# Allegro board ad-fmcmotcon1-ebz_layout.brd (continued)
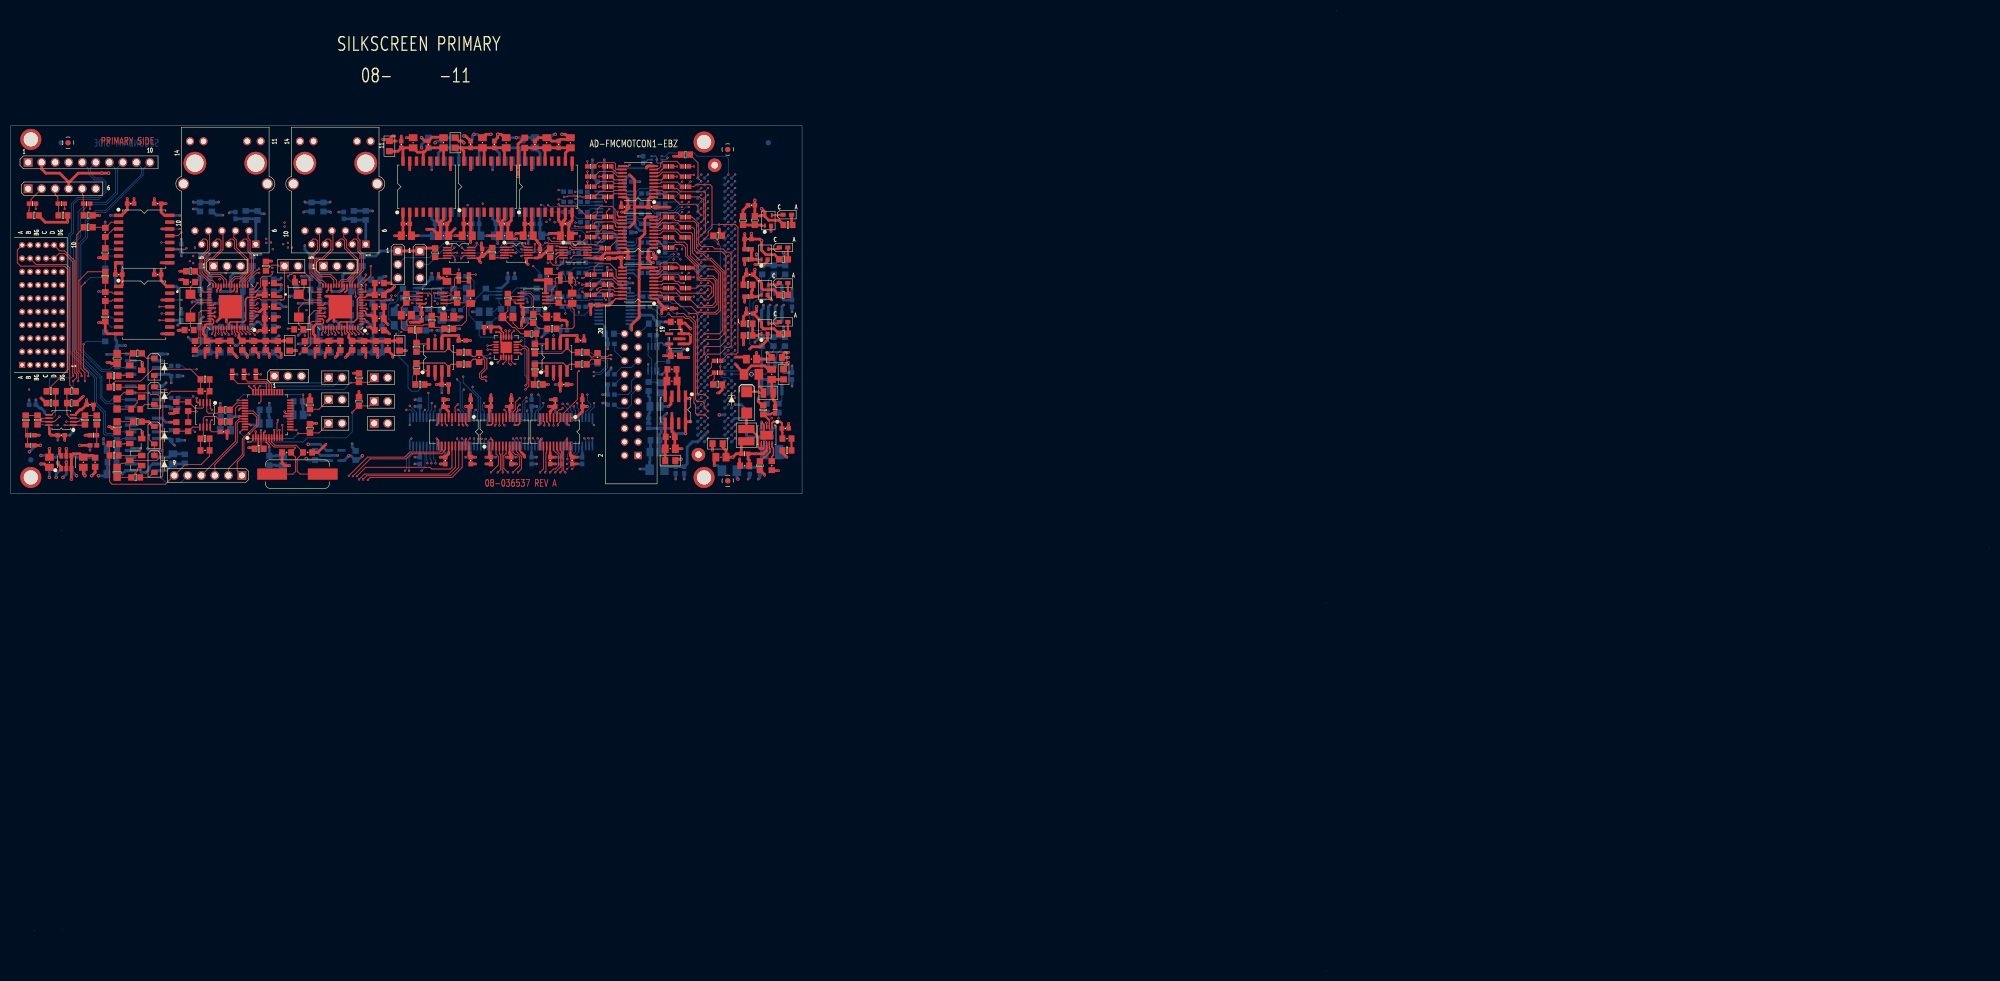
[diagram p0: board, top side]
## Footprints (pads in the part's own frame, mm; a bottom-side part is the same pattern mirrored in y, then rotated) (continued)
L0805
  rect 1.143x1.27 smd: 1(-0.953,0) 2(0.953,0)
L9075
  rect 1.016x1.778 smd: 1(-0.889,0) 2(0.889,0)
LED0603
  rect 0.965x0.762 smd: A(0.8,0) C(-0.8,0)
LQFP48
  rect 0.305x1.194 smd: 1(-2.75,-4.253) 2(-2.25,-4.253) 3(-1.75,-4.253) 4(-1.25,-4.253) 5(-0.75,-4.253) 6(-0.25,-4.253) 7(0.25,-4.253) 8(0.75,-4.253) 9(1.25,-4.253) 10(1.75,-4.253) 11(2.25,-4.253) 12(2.75,-4.253) 25(2.75,4.253) 26(2.25,4.253) 27(1.75,4.253) 28(1.25,4.253) 29(0.75,4.253) 30(0.25,4.253) 31(-0.25,4.253) 32(-0.75,4.253) 33(-1.25,4.253) 34(-1.75,4.253) 35(-2.25,4.253) 36(-2.75,4.253)
  rect 1.194x0.305 smd: 13(4.253,-2.75) 14(4.253,-2.25) 15(4.253,-1.75) 16(4.253,-1.25) 17(4.253,-0.75) 18(4.253,-0.25) 19(4.253,0.25) 20(4.253,0.75) 21(4.253,1.25) 22(4.253,1.75) 23(4.253,2.25) 24(4.253,2.75) 37(-4.253,2.75) 38(-4.253,2.25) 39(-4.253,1.75) 40(-4.253,1.25) 41(-4.253,0.75) 42(-4.253,0.25) 43(-4.253,-0.25) 44(-4.253,-0.75) 45(-4.253,-1.25) 46(-4.253,-1.75) 47(-4.253,-2.25) 48(-4.253,-2.75)
LSML126W110H95
  rect 1.524x3.048 smd: 1(-1.143,0) 2(1.143,0)
MSOP8
  rect 0.305x1.321 smd: 1(-0.975,-2.3) 2(-0.325,-2.3) 3(0.325,-2.3) 4(0.975,-2.3) 5(0.975,2.3) 6(0.325,2.3) 7(-0.325,2.3) 8(-0.975,2.3)
QFN10_3X3_PAD2_38X1_64
  oval 0.254x0.813 smd: 1(-1,-1.5) 2(-0.5,-1.5) 3(0,-1.5) 4(0.5,-1.5) 5(1,-1.5) 6(1,1.5) 7(0.5,1.5) 8(0,1.5) 9(-0.5,1.5) 10(-1,1.5)
  rect 2.388x1.651 smd: PAD(0,0)
QFN20_4X4_PAD2_1X2_1
  oval 0.305x1.041 smd: 1(-1,-1.9) 2(-0.5,-1.9) 3(0,-1.9) 4(0.5,-1.9) 5(1,-1.9) 11(1,1.9) 12(0.5,1.9) 13(0,1.9) 14(-0.5,1.9) 15(-1,1.9)
  oval 1.041x0.305 smd: 6(1.9,-1) 7(1.9,-0.5) 8(1.9,0) 9(1.9,0.5) 10(1.9,1) 16(-1.9,1) 17(-1.9,0.5) 18(-1.9,0) 19(-1.9,-0.5) 20(-1.9,-1)
  rect 2.108x2.108 smd: PAD(0,0)
QFN56_8X8_PAD4_37X4_37
  oval 0.305x0.838 smd: 1(-3.25,-3.95) 2(-2.75,-3.95) 3(-2.25,-3.95) 4(-1.75,-3.95) 5(-1.25,-3.95) 6(-0.75,-3.95) 7(-0.25,-3.95) 8(0.25,-3.95) 9(0.75,-3.95) 10(1.25,-3.95) 11(1.75,-3.95) 12(2.25,-3.95) 13(2.75,-3.95) 14(3.25,-3.95) 29(3.25,3.95) 30(2.75,3.95) 31(2.25,3.95) 32(1.75,3.95) 33(1.25,3.95) 34(0.75,3.95) 35(0.25,3.95) 36(-0.25,3.95) 37(-0.75,3.95) 38(-1.25,3.95) 39(-1.75,3.95) 40(-2.25,3.95) 41(-2.75,3.95) 42(-3.25,3.95)
  oval 0.838x0.305 smd: 15(3.95,-3.25) 16(3.95,-2.75) 17(3.95,-2.25) 18(3.95,-1.75) 19(3.95,-1.25) 20(3.95,-0.75) 21(3.95,-0.25) 22(3.95,0.25) 23(3.95,0.75) 24(3.95,1.25) 25(3.95,1.75) 26(3.95,2.25) 27(3.95,2.75) 28(3.95,3.25) 43(-3.95,3.25) 44(-3.95,2.75) 45(-3.95,2.25) 46(-3.95,1.75) 47(-3.95,1.25) 48(-3.95,0.75) 49(-3.95,0.25) 50(-3.95,-0.25) 51(-3.95,-0.75) 52(-3.95,-1.25) 53(-3.95,-1.75) 54(-3.95,-2.25) 55(-3.95,-2.75) 56(-3.95,-3.25)
  rect 4.369x4.369 smd: PAD(0,0)
QSOP20
  rect 0.305x1.651 smd: 1(-2.857,-2.667) 2(-2.223,-2.667) 3(-1.587,-2.667) 4(-0.953,-2.667) 5(-0.318,-2.667) 6(0.318,-2.667) 7(0.953,-2.667) 8(1.587,-2.667) 9(2.223,-2.667) 10(2.857,-2.667) 11(2.857,2.667) 12(2.223,2.667) 13(1.587,2.667) 14(0.953,2.667) 15(0.318,2.667) 16(-0.318,2.667) 17(-0.953,2.667) 18(-1.587,2.667) 19(-2.223,2.667) 20(-2.857,2.667)
R0402
  rect 0.889x0.813 smd: 1(-0.635,0) 2(0.635,0)
R0603
  rect 1.092x1.194 smd: 1(-0.851,0) 2(0.851,0)
R0805
  rect 1.295x1.397 smd: 1(-0.953,0) 2(0.953,0)
SC70-6
  rect 0.406x0.508 smd: 1(-0.65,-0.95) 2(0,-0.95) 3(0.65,-0.95) 4(0.65,0.95) 5(0,0.95) 6(-0.65,0.95)
SC70_4
  rect 0.356x0.787 smd: 1(-0.65,-0.98) 3(0.65,0.98) 4(-0.65,0.98)
  rect 0.762x0.787 smd: 2(0.5,-0.98)
SMA
  rect 2.032x2.032 smd: A(1.994,0) C(-1.994,0)
SO8
  rect 0.61x2.184 smd: 1(-1.905,-2.54) 2(-0.635,-2.54) 3(0.635,-2.54) 4(1.905,-2.54) 5(1.905,2.54) 6(0.635,2.54) 7(-0.635,2.54) 8(-1.905,2.54)
SO16WB
  rect 0.635x1.727 smd: 1(-4.445,-4.801) 2(-3.175,-4.801) 3(-1.905,-4.801) 4(-0.635,-4.801) 5(0.635,-4.801) 6(1.905,-4.801) 7(3.175,-4.801) 8(4.445,-4.801) 9(4.445,4.801) 10(3.175,4.801) 11(1.905,4.801) 12(0.635,4.801) 13(-0.635,4.801) 14(-1.905,4.801) 15(-3.175,4.801) 16(-4.445,4.801)
SOD123-2
  rect 0.914x1.219 smd: A(1.638,0) C(-1.638,0)
SOT23
  rect 1.016x1.397 smd: 1(-0.94,-1.118) 2(0.94,-1.118) 3(0,1.118)
SOT23_6-2
  rect 0.711x0.991 smd: 1(-0.95,-1.2) 2(0,-1.2) 3(0.95,-1.2) 4(0.95,1.2) 5(0,1.2) 6(-0.95,1.2)
TSOT-5
  rect 0.508x1.524 smd: 1(-0.95,-1.17) 2(0,-1.17) 3(0.95,-1.17) 4(0.95,1.17) 5(-0.95,1.17)
TSSOP20
  rect 0.33x1.651 smd: 1(-2.925,-2.93) 2(-2.275,-2.93) 3(-1.625,-2.93) 4(-0.975,-2.93) 5(-0.325,-2.93) 6(0.325,-2.93) 7(0.975,-2.93) 8(1.625,-2.93) 9(2.275,-2.93) 10(2.925,-2.93) 11(2.925,2.93) 12(2.275,2.93) 13(1.625,2.93) 14(0.975,2.93) 15(0.325,2.93) 16(-0.325,2.93) 17(-0.975,2.93) 18(-1.625,2.93) 19(-2.275,2.93) 20(-2.925,2.93)
unnamed#2
  round 1.016 smd: (0,0)
unnamed#3
  round 3.937 hole 2.667 unplated: (0,0)
USO10
  rect 0.254x1.6 smd: 1(-1,-2.25) 2(-0.5,-2.25) 3(0,-2.25) 4(0.5,-2.25) 5(1,-2.25) 6(1,2.25) 7(0.5,2.25) 8(0,2.25) 9(-0.5,2.25) 10(-1,2.25)
YSML197W126H39
  rect 1.702x1.803 smd: 1(-2.151,0) 2(2.151,0)
YSML450W190H130
  rect 5.588x2.108 smd: 1(-4.75,0) 2(4.75,0)

## Nets
0V5_REF_1: A6.1(OUT) R206.2(N2) U12.2(VOCM) U13.2(VOCM)
0V5_REF_2: A6.7(OUT) R207.2(N2) U18.2(VOCM) U19.2(VOCM)
2V5_REF_1: C189.1(N1) R229.1(N1) R230.1(N1) U30.5(VOUT_SENSE) U30.6(VOUT_FORCE)
2V5_REF_2: C190.1(N1) R233.1(N1) R234.1(N1) U31.5(VOUT_SENSE) U31.6(VOUT_FORCE)
2V5_REF_3: C503.1(N1) R204.1(N1) U50.5(VOUT_SENSE) U50.6(VOUT_FORCE)
3V3_ADC_A: C225.1(N1) C242.1(N1) C243.1(N1) C246.1(N1) C247.1(N1) U8.14(VDD2) U9.14(VDD2) U14.14(VDD2) U15.14(VDD2) U38.5(VOUT)
3V3_AUX: A1.3(VIN) A1.6(VCC) C91.2(N2) C193.2(N2) P1.D32(3P3VAUX) R12.1(N1) R13.1(N1) R26.1(N1) R192.1(N1) R194.1(N1) R196.1(N1) U27.8(VCC) U32.8(VCC)
3V3_SENS_ISO: C19.1(N1) C21.1(N1) C65.2(N2) C66.2(N2) C67.2(N2) C71.1(N1) C73.1(N1) C251.1(N1) C252.1(N1) C254.1(N1) R150.1(N1) R151.1(N1) R152.1(N1) R153.1(N1) R154.1(N1) U22.8(VCC) U23.8(VCC) U24.8(VCC) U26.3(RD_N) U26.18(VDRIVE) U42.1(VDD1A) U42.7(VDD1B) U45.14(VDD2B) U45.20(VDD2A) U46.5(VOUT)
5V0: C194.1(N1) C195.1(N1) C196.1(N1) C200.1(N1) C201.1(N1) C203.1(N1) C205.1(N1) C207.1(N1) C208.1(N1) C209.1(N1) C210.1(N1) C229.1(N1) C231.1(N1) C232.1(N1) C233.1(N1) C255.1(N1) C256.1(N1) C257.1(N1) C258.1(N1) C263.1(N1) E10.2(N2) E17.1(N1) R212.1(N1) U33.1(VDD1_1) U33.6(RCSEL) U33.7(VDD1_2) U35.1(VDD1_1) U35.6(RCSEL) U35.7(VDD1_2) U36.1(VDD1_1) U36.6(RCSEL) U36.7(VDD1_2) U40.1(VDD1_1) U40.6(RCSEL) U40.7(VDD1_2) U47.1(VDD1_1) U47.6(RCSEL) U47.7(VDD1_2)
5V0_A: C26.1(N1) C27.1(N1) C36.1(N1) C38.1(N1) C43.2(N2) C47.1(N1) C48.1(N1) C57.1(N1) C59.1(N1) C97.1(N1) C224.1(N1) C501.1(N1) C502.1(N1) E17.2(N2) U10.8(V+) U11.8(V+) U12.3(VS_POS) U13.3(VS_POS) U16.8(V+) U17.8(V+) U18.3(VS_POS) U19.3(VS_POS) U38.1(VIN) U38.3(EN) U39.1(FC) U39.8(V+) U43.14(VDD) U50.3(ENABLE) U50.4(VIN)
5V0_ADC_ISO: C240.1(N1) C241.1(N1) C244.1(N1) C245.1(N1) E8.2(N2) U8.1(VDD1) U9.1(VDD1) U14.1(VDD1) U15.1(VDD1)
5V0_DI_ISO: C15.1(N1) C18.1(N1) C116.1(N1) C142.1(N1) C161.1(N1) C248.1(N1) C270.1(N1) C271.1(N1) C274.1(N1) C275.1(N1) E20.2(N2) U5.14(VDD2B) U5.20(VDD2A) U6.1(VDD1A) U6.7(VDD1B) U41.1(VDD1A) U41.7(VDD1B) U44.14(VDD2B) U44.20(VDD2A) U48.14(VDD2B) U48.20(VDD2A)
5V0_FE_ISO: A2.8(V+) A3.8(V+) C23.2(N2) C44.2(N2) C186.1(N1) C187.1(N1) C268.1(N1) C269.1(N1) E18.2(N2) U30.3(ENABLE) U30.4(VIN) U31.3(ENABLE) U31.4(VIN) U37.1(FC) U37.8(V+)
5V0_RDC_ISO: C75.1(N1) C76.1(N1) C77.1(N1) C78.1(N1) E7.2(N2) P18.3(N3) U26.6(DVDD) U26.43(AVDD)
5V0_SENS_ISO: C253.1(N1) E19.2(N2) P7.4(N4) P8.2(N2) R178.1(N1) R179.1(N1) R180.1(N1) U46.1(VIN) U46.3(EN)
-5V0_A: C37.1(N1) C39.1(N1) C58.1(N1) C60.1(N1) E12.2(N2) U12.6(VS_NEG) U13.6(VS_NEG) U18.6(VS_NEG) U19.6(VS_NEG)
-5V0_FE_ISO: A2.4(V-) A3.4(V-) C22.1(N1) C42.1(N1) E11.2(N2)
AGND: A1.2(GND) A5.2(GND) A6.4(V-) A7.2(GND) A8.2(GND) A9.2(GND) C1.2(N2) C2.2(N2) C3.2(N2) C4.2(N2) C5.2(N2) C6.2(N2) C7.2(N2) C8.2(N2) C9.2(N2) C10.2(N2) C11.2(N2) C12.2(N2) C13.2(N2) C14.2(N2) C16.2(N2) C17.2(N2) C20.2(N2) C26.2(N2) C27.2(N2) C28.2(N2) C29.2(N2) C32.2(N2) C33.2(N2) C36.2(N2) C37.2(N2) C38.2(N2) C39.2(N2) C43.1(N1) C47.2(N2) C48.2(N2) C49.2(N2) C50.2(N2) C53.2(N2) C54.2(N2) C57.2(N2) C58.2(N2) C59.2(N2) C60.2(N2) C63.1(N1) C64.1(N1) C68.1(N1) C82.2(N2) C83.2(N2) C84.2(N2) C85.2(N2) C86.2(N2) C87.2(N2) C88.2(N2) C89.2(N2) C90.2(N2) C91.1(N1) C92.2(N2) C93.2(N2) C94.2(N2) C95.2(N2) C96.2(N2) C97.2(N2) C98.2(N2) C99.2(N2) C100.2(N2) C101.2(N2) C102.2(N2) C103.2(N2) C104.2(N2) C105.2(N2) C106.2(N2) C107.2(N2) C108.2(N2) C109.2(N2) C110.2(N2) C111.2(N2) C112.2(N2) C113.2(N2) C114.2(N2) C115.2(N2) C117.2(N2) C118.2(N2) C119.2(N2) C120.2(N2) C121.2(N2) C122.2(N2) C123.2(N2) C124.2(N2) C125.2(N2) C126.2(N2) C127.2(N2) C128.2(N2) C129.2(N2) C130.2(N2) C131.2(N2) C132.2(N2) C133.2(N2) C135.2(N2) C136.2(N2) C137.2(N2) C138.2(N2) C139.2(N2) C140.2(N2) C141.2(N2) C143.2(N2) C144.2(N2) C145.2(N2) C146.2(N2) C147.2(N2) C148.2(N2) C149.2(N2) C150.2(N2) C151.2(N2) C152.2(N2) C153.2(N2) C154.2(N2) C155.2(N2) C156.2(N2) C157.2(N2) C158.2(N2) C159.2(N2) C160.2(N2) C162.2(N2) C163.2(N2) C164.2(N2) C165.2(N2) C166.2(N2) C167.2(N2) C168.2(N2) C169.2(N2) C170.2(N2) C171.2(N2) C172.2(N2) C173.2(N2) C174.2(N2) C175.2(N2) C176.2(N2) C177.2(N2) C178.2(N2) C180.2(N2) C181.2(N2) C182.2(N2) C183.2(N2) C184.2(N2) C185.2(N2) C188.2(N2) C191.1(N1) C192.2(N2) C193.1(N1) C194.2(N2) C195.2(N2) C196.2(N2) C197.2(N2) C198.2(N2) C199.2(N2) C200.2(N2) C201.2(N2) C203.2(N2) C204.2(N2) C205.2(N2) C206.2(N2) C207.2(N2) C208.2(N2) C209.2(N2) C210.2(N2) C213.2(N2) C220.2(N2) C221.2(N2) C224.2(N2) C225.2(N2) C229.2(N2) C231.2(N2) C232.2(N2) C233.2(N2) C237.2(N2) C239.2(N2) C242.2(N2) C243.2(N2) C246.2(N2) C247.2(N2) C249.2(N2) C250.2(N2) C255.2(N2) C256.2(N2) C257.2(N2) C258.2(N2) C263.2(N2) C272.2(N2) C273.2(N2) C276.2(N2) C277.2(N2) C501.2(N2) C502.2(N2) C503.2(N2) P1.C1(GND_41) P1.C4(GND_42) P1.C5(GND_43) P1.C8(GND_44) P1.C9(GND_45) P1.C12(GND_46) P1.C13(GND_47) P1.C16(GND_48) P1.C17(GND_49) P1.C20(GND_50) P1.C21(GND_51) P1.C24(GND_52) P1.C25(GND_53) P1.C28(GND_54) P1.C29(GND_55) P1.C32(GND_56) P1.C33(GND_57) P1.C36(GND_58) P1.C38(GND_59) P1.C40(GND_60) P1.D2(GND_61) P1.D3(GND_62) P1.D6(GND_63) P1.D7(GND_64) P1.D10(GND_65) P1.D13(GND_66) P1.D16(GND_67) P1.D19(GND_68) P1.D22(GND_69) P1.D25(GND_70) P1.D28(GND_71) P1.D37(GND_72) P1.D39(GND_73) P1.G1(GND_103) P1.G4(GND_104) P1.G5(GND_105) P1.G8(GND_106) P1.G11(GND_107) P1.G14(GND_108) P1.G17(GND_109) P1.G20(GND_110) P1.G23(GND_111) P1.G26(GND_112) P1.G29(GND_113) P1.G32(GND_114) P1.G35(GND_115) P1.G38(GND_116) P1.G40(GND_117) P1.H3(GND_118) P1.H6(GND_119) P1.H9(GND_120) P1.H12(GND_121) P1.H15(GND_122) P1.H18(GND_123) P1.H21(GND_124) P1.H24(GND_125) P1.H27(GND_126) P1.H30(GND_127) P1.H33(GND_128) P1.H36(GND_129) P1.H39(GND_130) P9.3(N3) P10.1(N1) P10.2(N1) P10.4(N2) P10.5(N3) P10.9(N5) P10.10(N5) P10.12(N6) P11.1(N1) P12.1(N1) P13.10(GND) P14.2(N2) P15.10(GND) P20.3(N3) R56.1(N1) R60.1(N1) R94.1(N1) R96.1(N1) R130.1(N1) R132.1(N1) R184.1(N1) R189.1(N1) R190.2(N2) R191.1(N1) R197.2(N2) R199.2(N2) R200.2(N2) R201.2(N2) R203.2(N2) R205.2(N2) R210.2(N2) R213.2(N2) R216.2(N2) R218.1(N1) R219.2(N2) R221.2(N2) U1.11(GND) U2.11(GND) U3.11(GND) U4.11(GND) U5.2(GND1_1) U5.10(GND1_2) U6.11(GND2_1) U6.19(GND2_2) U7.11(GND) U8.9(GND2_1) U8.16(GND2_2) U9.9(GND2_1) U9.16(GND2_2) U10.4(V-) U11.4(V-) U14.9(GND2_1) U14.16(GND2_2) U15.9(GND2_1) U15.16(GND2_2) U16.4(V-) U17.4(V-) U20.3(GND) U21.3(GND) U25.3(GND) U27.3(A2) U27.4(GND) U28.PAD U29.PAD U32.1(A0) U32.2(A1) U32.3(A2) U32.4(GND) U33.2(GND1_1) U33.8(GND1_2) U34.4(GND1) U34.5(GND2) U34.PAD U35.2(GND1_1) U35.8(GND1_2) U36.2(GND1_1) U36.8(GND1_2) U38.2(GND) U39.3(GND) U39.6(LV) U40.2(GND1_1) U40.8(GND1_2) U41.11(GND2_1) U41.19(GND2_2) U42.11(GND2_1) U42.19(GND2_2) U43.2(VSS) U43.6(S4A) U43.10(S4B) U43.15(GND) U43.PAD U44.2(GND1_1) U44.10(GND1_2) U45.2(GND1_1) U45.10(GND1_2) U47.2(GND1_1) U47.8(GND1_2) U48.2(GND1_1) U48.10(GND1_2) U49.6(A5) U49.7(A6) U49.8(A7) U49.9(A8) U49.11(GND) U50.1(GND_FORCE) U50.2(GND_SENSE)
AGND_ISO: A4.4(V-) C15.2(N2) C18.2(N2) C19.2(N2) C21.2(N2) C22.2(N2) C23.1(N1) C42.2(N2) C44.1(N1) C65.1(N1) C66.1(N1) C67.1(N1) C69.2(N2) C70.2(N2) C71.2(N2) C72.2(N2) C73.2(N2) C74.2(N2) C75.2(N2) C76.2(N2) C77.2(N2) C78.2(N2) C81.1(N1) C116.2(N2) C142.2(N2) C161.2(N2) C186.2(N2) C187.2(N2) C189.2(N2) C190.2(N2) C211.2(N2) C212.2(N2) C214.2(N2) C215.2(N2) C216.2(N2) C217.2(N2) C218.2(N2) C219.2(N2) C226.2(N2) C227.2(N2) C234.2(N2) C235.2(N2) C236.2(N2) C238.2(N2) C240.2(N2) C241.2(N2) C244.2(N2) C245.2(N2) C248.2(N2) C251.2(N2) C252.2(N2) C253.2(N2) C254.2(N2) C259.2(N2) C260.2(N2) C261.2(N2) C262.2(N2) C264.2(N2) C265.2(N2) C266.2(N2) C267.2(N2) C268.2(N2) C269.2(N2) C270.2(N2) C271.2(N2) C274.2(N2) C275.2(N2) P2.BG1(N1) P2.BG2(N2) P2.BG3(N3) P2.BG4(N4) P2.BG5(N5) P2.BG6(N6) P2.BG7(N7) P2.BG8(N8) P2.BG9(N9) P2.BG10(N10) P2.DG1(N1) P2.DG2(N2) P2.DG3(N3) P2.DG4(N4) P2.DG5(N5) P2.DG6(N6) P2.DG7(N7) P2.DG8(N8) P2.DG9(N9) P2.DG10(N10) P3.2(N2) P4.2(N2) P5.2(N2) P6.2(N2) P7.1(N1) P7.6(N6) P8.3(N3) P19.2(N2) Q2.3(C) Q4.3(C) R73.2(N2) R74.2(N2) R78.1(N1) R80.1(N1) R109.2(N2) R110.2(N2) R114.1(N1) R116.1(N1) R164.2(N2) R165.2(N2) R169.2(N2) R173.2(N2) R231.1(N1) R232.1(N1) R235.1(N1) R236.1(N1) U5.11(GND2_1) U5.19(GND2_2) U6.2(GND1_1) U6.10(GND1_2) U8.8(GND1) U9.8(GND1) U14.8(GND1) U15.8(GND1) U22.5(GND) U23.5(GND) U24.5(GND) U26.2(CS_N) U26.5(DGND1) U26.9(SOE_N) U26.19(DGND2) U26.40(AGND) U30.1(GND_FORCE) U30.2(GND_SENSE) U31.1(GND_FORCE) U31.2(GND_SENSE) U33.9(GNDISO_1) U33.15(GNDISO_2) U35.9(GNDISO_1) U35.15(GNDISO_2) U36.9(GNDISO_1) U36.15(GNDISO_2) U37.3(GND) U37.6(LV) U40.9(GNDISO_1) U40.15(GNDISO_2) U41.2(GND1_1) U41.10(GND1_2) U42.2(GND1_1) U42.10(GND1_2) U44.11(GND2_1) U44.19(GND2_2) U45.11(GND2_1) U45.19(GND2_2) U46.2(GND) U47.9(GNDISO_1) U47.15(GNDISO_2) U48.11(GND2_1) U48.19(GND2_2)
VBUS: P2.C10(N10) P2.D10(N10) R108.1(N1)
VBUS_BIPOLAR: A3.7(OUT) R112.2(N2) R115.1(N1)
VBUS_CLK: R28.1(N1) U15.13(MCLKIN)
VBUS_DAT: R30.1(N1) R118.1(N1) U15.11(MDAT)
A0: P3.1(N1) R151.2(N2) U26.37(A0)
A1: P5.1(N1) R153.2(N2) U26.36(A1)
BEMF_A: U20.2(S1) U41.15(VOD)
BEMF_A_ISO: P2.A4(N4) U41.6(VID)
BEMF_B: U25.2(S1) U41.13(VOE)
BEMF_B_ISO: P2.D5(N5) U41.8(VIE)
BEMF_C: U21.2(S1) U41.12(VOF)
BEMF_C_ISO: P2.B4(N4) U41.9(VIF)
CHANNEL_A_BUF: U20.7(S4) U42.15(VOD)
CHANNEL_A_BUF_ISO: R155.2(N2) U42.6(VID)
CHANNEL_B_BUF: U25.7(S4) U42.13(VOE)
CHANNEL_B_BUF_ISO: R156.2(N2) U42.8(VIE)
CHANNEL_INDEX_BUF: U21.7(S4) U42.12(VOF)
CHANNEL_INDEX_BUF_ISO: R157.2(N2) U42.9(VIF)
COS: P16.3(N3) U26.45(COS)
COS_LO: P16.4(N4) U26.44(COSLO)
DOS: P17.1(N1) U26.35(DOS)
EN_VT: A1.4(ENOUT) U1.10(EN) U2.10(EN) U3.10(EN) U4.10(EN) U7.10(EN) U49.10(EN)
EXC: C79.2(N2) P16.5(N5) R160.2(N2) R174.2(N2) R175.1(N1)
EXC_LO: C80.2(N2) P16.6(N6) R161.2(N2) R176.2(N2) R177.1(N1)
FMC_3V3: A5.4(VCC) A7.4(VCC) A8.4(VCC) A9.4(VCC) C5.1(N1) C6.1(N1) C7.1(N1) C8.1(N1) C9.1(N1) C10.1(N1) C11.1(N1) C13.1(N1) C14.1(N1) C16.1(N1) C17.1(N1) C63.2(N2) C64.2(N2) C68.2(N2) C89.1(N1) C90.1(N1) C92.1(N1) C103.1(N1) C109.1(N1) C148.1(N1) C154.1(N1) C188.1(N1) C192.1(N1) C197.1(N1) C198.1(N1) C204.1(N1) C249.1(N1) C250.1(N1) C272.1(N1) C273.1(N1) C277.1(N1) E2.1(N1) E3.1(N1) E5.1(N1) E6.1(N1) E9.1(N1) L1.1(N1) P1.C39(3P3V_1) P1.D36(3P3V_2) P1.D38(3P3V_3) P1.D40(3P3V_4) P9.1(N1) P20.1(N1) R144.2(N2) R145.2(N2) R149.2(N2) R202.1(N1) R208.1(N1) R211.1(N1) R214.1(N1) R217.1(N1) R222.1(N1) U1.20(VCCY) U2.20(VCCY) U3.20(VCCY) U4.20(VCCY) U5.1(VDD1A) U5.7(VDD1B) U6.14(VDD2B) U6.20(VDD2A) U7.20(VCCY) U20.6(VDD) U21.6(VDD) U25.6(VDD) U41.14(VDD2B) U41.20(VDD2A) U42.14(VDD2B) U42.20(VDD2A) U44.1(VDD1A) U44.7(VDD1B) U45.1(VDD1A) U45.7(VDD1B) U48.1(VDD1A) U48.7(VDD1B) U49.20(VCCY)
FMC_3V3_A: A6.8(V+) C191.2(N2) E9.2(N2)
FMC_12V0: C86.1(N1) C87.1(N1) C88.1(N1) P1.C35(12P0V_1) P1.C37(12P0V_2) R215.1(N1)
FMC_GA0: P1.C34(GA0) R195.1(N1)
FMC_GA1: P1.D35(GA1) R193.1(N1)
FMC_GPI1: P1.H25(LA21_P) R6.1(N1)
FMC_GPI2: P1.H26(LA21_N) R20.1(N1)
FMC_GPI3: P1.G34(LA31_N) R239.1(N1)
FMC_GPI4: P1.G36(LA33_P) R64.1(N1)
FMC_GPI5: P1.G37(LA33_N) R240.1(N1)
FMC_GPO1: P1.H28(LA24_P) R7.1(N1)
FMC_GPO2: P1.H29(LA24_N) R21.1(N1)
FMC_GPO3: P1.C14(LA10_P) R223.1(N1)
FMC_GPO4: P1.C15(LA10_N) R225.1(N1)
FMC_GPO5: P1.C22(LA18_P_CC) R224.1(N1)
FMC_GPO6: P1.C23(LA18_N_CC) R237.1(N1)
FMC_GPO7: P1.C26(LA27_P) R51.1(N1)
FMC_GPO8: P1.C27(LA27_N) R68.1(N1)
FMC_GPO9: P1.G13(LA08_N) R39.1(N1)
FMC_GPO10: P1.H23(LA19_N) R238.1(N1)
FMC_GPO11: P1.G6(LA00_P_CC) R52.1(N1)
FMC_IA_CLK: P1.H7(LA02_P) R1.1(N1)
FMC_IA_DAT: P1.H13(LA07_P) R3.1(N1)
FMC_IB_CLK: P1.H8(LA02_N) R14.1(N1)
FMC_IB_DAT: P1.H14(LA07_N) R16.1(N1)
FMC_IT_CLK: P1.H10(LA04_P) R2.1(N1)
FMC_IT_DAT: P1.H16(LA11_P) R4.1(N1)
FMC_M_FAULT: P1.C11(LA06_N) R25.1(N1)
FMC_POWER_ON_RESET_N: P1.G15(LA12_P) R53.1(N1)
FMC_PWM_AH: P1.H31(LA28_P) R8.1(N1)
FMC_PWM_AL: P1.H32(LA28_N) R22.1(N1)
FMC_PWM_BH: P1.H34(LA30_P) R9.1(N1)
FMC_PWM_BL: P1.H35(LA30_N) R23.1(N1)
FMC_PWM_CH: P1.H37(LA32_P) R10.1(N1)
FMC_PWM_CL: P1.H38(LA32_N) R24.1(N1)
FMC_PWM_EN: P1.C10(LA06_P) R11.1(N1)
FMC_SAMPLE_N: P1.G16(LA12_N) R57.1(N1)
FMC_SCL: P1.C30(SCL) R12.2(N2) R192.2(N2) U27.6(SCL) U32.6(SCL)
FMC_SDA: P1.C31(SDA) R26.2(N2) R196.2(N2) U27.5(SDA) U32.5(SDA)
FMC_SENSOR_A: P1.H19(LA15_P) R18.1(N1)
FMC_SENSOR_B: P1.H20(LA15_N) R5.1(N1)
FMC_SENSOR_C: P1.H22(LA19_P) R19.1(N1)
FMC_SPI1_MISO: P1.G19(LA16_N) R58.1(N1)
FMC_SPI1_MOSI: P1.G18(LA16_P) R54.1(N1)
FMC_SPI1_SCK: P1.G27(LA25_P) R55.1(N1)
FMC_SPI1_SEL1_RDC: P1.G28(LA25_N) R59.1(N1)
FMC_VBUS_CLK: P1.H11(LA04_N) R15.1(N1)
FMC_VBUS_DAT: P1.H17(LA11_N) R17.1(N1)
GPI1: R45.1(N1) U6.17(VOB)
GPI1_ISO: P2.C4(N4) U6.4(VIB)
GPI2: R33.1(N1) U6.16(VOC)
GPI2_ISO: P2.D4(N4) U6.5(VIC)
GPI3: R244.1(N1) U6.15(VOD)
GPI3_ISO: P2.C6(N6) U6.6(VID)
GPI4: R249.1(N1) U6.13(VOE)
GPI4_ISO: P2.D6(N6) U6.8(VIE)
GPI5: R245.1(N1) U6.12(VOF)
GPI5_ISO: P2.C7(N7) U6.9(VIF)
GPO1: R46.1(N1) U44.4(VIB)
GPO1_ISO: P2.C1(N1) U44.17(VOB)
GPO2: R34.1(N1) U44.5(VIC)
GPO2_ISO: P2.D1(N1) U44.16(VOC)
GPO3: R227.1(N1) U44.6(VID)
GPO3_ISO: P2.C2(N2) U44.15(VOD)
GPO4: R226.1(N1) U44.8(VIE)
GPO4_ISO: P2.D2(N2) U44.13(VOE)
GPO5: R228.1(N1) U44.9(VIF)
GPO5_ISO: P2.C3(N3) U44.12(VOF)
GPO6: R241.1(N1) U48.3(VIA)
GPO6_ISO: P2.A5(N5) U48.18(VOA)
GPO7: R246.1(N1) U48.4(VIB)
GPO7_ISO: P2.B5(N5) U48.17(VOB)
GPO8: R242.1(N1) U48.5(VIC)
GPO8_ISO: P2.A6(N6) U48.16(VOC)
GPO9: R247.1(N1) U48.6(VID)
GPO9_ISO: P2.B6(N6) U48.15(VOD)
GPO10: R243.1(N1) U48.8(VIE)
GPO10_ISO: P2.A7(N7) U48.13(VOE)
GPO11: R248.1(N1) U48.9(VIF)
GPO11_ISO: P2.B7(N7) U48.12(VOF)
HALL_A: U20.9(S2) U41.18(VOA)
HALL_A_IN: R181.2(N2) U41.3(VIA)
HALL_B: U25.9(S2) U41.17(VOB)
HALL_B_IN: R182.2(N2) U41.4(VIB)
HALL_C: U21.9(S2) U41.16(VOC)
HALL_C_IN: R183.2(N2) U41.5(VIC)
HALL_DIFF_A: U20.4(S3) U42.18(VOA)
HALL_DIFF_A_ISO: R141.1(N1) U42.3(VIA)
HALL_DIFF_A_N: P8.5(N5) R146.2(N2) U22.1(RIN-)
HALL_DIFF_A_P: P8.6(N6) R146.1(N1) U22.2(RIN+)
HALL_DIFF_B: U25.4(S3) U42.17(VOB)
HALL_DIFF_B_ISO: R142.1(N1) U42.4(VIB)
HALL_DIFF_B_N: P8.7(N7) R147.2(N2) U23.1(RIN-)
HALL_DIFF_B_P: P8.8(N8) R147.1(N1) U23.2(RIN+)
HALL_DIFF_C: U21.4(S3) U42.16(VOC)
HALL_DIFF_C_ISO: R143.1(N1) U42.5(VIC)
HALL_DIFF_C_N: P8.9(N9) R148.2(N2) U24.1(RIN-)
HALL_DIFF_C_P: P8.10(N10) R148.1(N1) U24.2(RIN+)
IA: P2.A9(N9) P2.B9(N9) R70.1(N1)
IA_BIPOLAR: A2.1(OUT) R75.2(N2) R77.1(N1)
IA_CLK: R40.1(N1) U8.13(MCLKIN)
IA_DAT: R42.1(N1) R81.1(N1) U8.11(MDAT)
IB: P2.A10(N10) P2.B10(N10) R72.1(N1)
IB_BIPOLAR: A2.7(OUT) R76.2(N2) R79.1(N1)
IB_CLK: R27.1(N1) U9.13(MCLKIN)
IB_DAT: R29.1(N1) R82.1(N1) U9.11(MDAT)
IT: P2.C9(N9) P2.D9(N9) R106.1(N1)
IT_BIPOLAR: A3.1(OUT) R111.2(N2) R113.1(N1)
IT_CLK: R41.1(N1) U14.13(MCLKIN)
IT_DAT: R43.1(N1) R117.1(N1) U14.11(MDAT)
LOT: P17.2(N2) U26.34(LOT)
M_FAULT: R38.1(N1) U6.18(VOA)
M_FAULT_ISO: P2.C5(N5) U6.3(VIA)
PG_C2M: A1.1(ENIN) P1.D1(PG_C2M)
PHY1_AVDD_1V8: C99.1(N1) C105.1(N1) C111.1(N1) C118.1(N1) C123.1(N1) C128.1(N1) C130.1(N1) C132.1(N1) E14.1(N1) U28.3(AVDD18_1) U28.19(AVDD18_2) U28.26(AVDD18_3) U28.38(AVDD18_4)
PHY1_AVDD_1V8_OUT: E13.2(N2) E14.2(N2) U28.39(AVDD18_OUT)
PHY1_AVDD_3V3: C100.1(N1) C106.1(N1) C112.1(N1) C119.1(N1) C124.1(N1) E3.2(N2) U28.20(AVDD33_1) U28.25(AVDD33_2)
PHY1_AVDDC_1V8: C98.1(N1) C104.1(N1) C110.1(N1) C117.1(N1) E13.1(N1) U28.35(AVDDC18)
PHY1_CONFIG: P11.2(N2) U28.15(CONFIG)
PHY1_DVDD_1V0: C96.1(N1) C102.1(N1) C108.1(N1) C115.1(N1) C122.1(N1) C127.1(N1) U28.6(DVDD_1) U28.40(DVDD_OUT) U28.42(DVDD_2)
PHY1_LED_0: P13.14(LED1_2) U28.14(LED(0))
PHY1_LED_1: P11.3(N3) P13.12(LED2_2) U28.13(LED(1))
PHY1_MDC: P1.G9(LA03_P) R188.1(N1) U28.7(MDC)
PHY1_MDI_N_0: P13.9(TRD1-) U28.27(MDIN(0))
PHY1_MDI_N_1: P13.8(TRD2-) U28.23(MDIN(1))
PHY1_MDI_N_2: P13.7(TRD3-) U28.21(MDIN(2))
PHY1_MDI_N_3: P13.6(TRD4-) U28.17(MDIN(3))
PHY1_MDI_P_0: P13.5(TRD1+) U28.28(MDIP(0))
PHY1_MDI_P_1: P13.4(TRD2+) U28.24(MDIP(1))
PHY1_MDI_P_2: P13.3(TRD3+) U28.22(MDIP(2))
PHY1_MDI_P_3: P13.2(TRD4+) U28.18(MDIP(3))
PHY1_MDIO: P1.G10(LA03_N) R185.2(N2) R187.1(N1) U28.8(MDIO)
PHY1_RESETN: P1.G12(LA08_P) U28.16(RESETN)
PHY1_RX_CLK: P1.H4(CLK0_M2C_P) U28.46(RX_CLK)
PHY1_RX_CTRL: P1.H5(CLK0_M2C_N) U28.43(RX_CTRL)
PHY1_RXD_0: P1.C19(LA14_N) U28.44(RXD(0))
PHY1_RXD_1: P1.C18(LA14_P) U28.45(RXD(1))
PHY1_RXD_2: P1.D18(LA13_N) U28.47(RXD(2))
PHY1_RXD_3: P1.D17(LA13_P) U28.48(RXD(3))
PHY1_TX_CLK: P1.D8(LA01_P_CC) U28.53(TX_CLK)
PHY1_TX_CTRL: P1.D9(LA01_N_CC) U28.56(TX_CTRL)
PHY1_TXD_0: P1.D11(LA05_P) U28.50(TXD(0))
PHY1_TXD_1: P1.D12(LA05_N) U28.51(TXD(1))
PHY1_TXD_2: P1.D14(LA09_P) U28.54(TXD(2))
PHY1_TXD_3: P1.D15(LA09_N) U28.55(TXD(3))
PHY1_VDD_3V3: C101.1(N1) C107.1(N1) C113.1(N1) C120.1(N1) C125.1(N1) E2.2(N2) P13.11(LED2_1) P13.13(LED1_1) U28.36(REG_IN)
PHY1_VDDO: C114.1(N1) C121.1(N1) C126.1(N1) C129.1(N1) C131.1(N1) C133.1(N1) E1.2(N2) U28.11(VDDO_1) U28.49(VDDO_2) U28.52(VDDO_3)
PHY2_AVDD_1V8: C144.1(N1) C150.1(N1) C156.1(N1) C163.1(N1) C168.1(N1) C173.1(N1) C175.1(N1) C177.1(N1) E16.1(N1) U29.3(AVDD18_1) U29.19(AVDD18_2) U29.26(AVDD18_3) U29.38(AVDD18_4)
PHY2_AVDD_1V8_OUT: E15.2(N2) E16.2(N2) U29.39(AVDD18_OUT)
PHY2_AVDD_3V3: C145.1(N1) C151.1(N1) C157.1(N1) C164.1(N1) C169.1(N1) E6.2(N2) U29.20(AVDD33_1) U29.25(AVDD33_2)
PHY2_AVDDC_1V8: C143.1(N1) C149.1(N1) C155.1(N1) C162.1(N1) E15.1(N1) U29.35(AVDDC18)
PHY2_CONFIG: P12.2(N2) U29.15(CONFIG)
PHY2_DVDD_1V0: C141.1(N1) C147.1(N1) C153.1(N1) C160.1(N1) C167.1(N1) C172.1(N1) U29.6(DVDD_1) U29.40(DVDD_OUT) U29.42(DVDD_2)
PHY2_LED_0: P12.3(N3) P15.14(LED1_2) U29.14(LED(0))
PHY2_LED_1: P15.12(LED2_2) U29.13(LED(1))
PHY2_MDC: P1.G30(LA29_P) R188.2(N2) U29.7(MDC)
PHY2_MDI_N_0: P15.9(TRD1-) U29.27(MDIN(0))
PHY2_MDI_N_1: P15.8(TRD2-) U29.23(MDIN(1))
PHY2_MDI_N_2: P15.7(TRD3-) U29.21(MDIN(2))
PHY2_MDI_N_3: P15.6(TRD4-) U29.17(MDIN(3))
PHY2_MDI_P_0: P15.5(TRD1+) U29.28(MDIP(0))
PHY2_MDI_P_1: P15.4(TRD2+) U29.24(MDIP(1))
PHY2_MDI_P_2: P15.3(TRD3+) U29.22(MDIP(2))
PHY2_MDI_P_3: P15.2(TRD4+) U29.18(MDIP(3))
PHY2_MDIO: P1.G31(LA29_N) R186.2(N2) R187.2(N2) U29.8(MDIO)
PHY2_RESETN: P1.G33(LA31_P) U29.16(RESETN)
PHY2_RX_CLK: P1.G2(CLK1_M2C_P) U29.46(RX_CLK)
PHY2_RX_CTRL: P1.G3(CLK1_M2C_N) U29.43(RX_CTRL)
PHY2_RXD_0: P1.G25(LA22_N) U29.44(RXD(0))
PHY2_RXD_1: P1.G24(LA22_P) U29.45(RXD(1))
PHY2_RXD_2: P1.G22(LA20_N) U29.47(RXD(2))
PHY2_RXD_3: P1.G21(LA20_P) U29.48(RXD(3))
PHY2_TX_CLK: P1.D20(LA17_P_CC) U29.53(TX_CLK)
PHY2_TX_CTRL: P1.D21(LA17_N_CC) U29.56(TX_CTRL)
PHY2_TXD_0: P1.D23(LA23_P) U29.50(TXD(0))
PHY2_TXD_1: P1.D24(LA23_N) U29.51(TXD(1))
PHY2_TXD_2: P1.D26(LA26_P) U29.54(TXD(2))
PHY2_TXD_3: P1.D27(LA26_N) U29.55(TXD(3))
PHY2_VDD_3V3: C146.1(N1) C152.1(N1) C158.1(N1) C165.1(N1) C170.1(N1) E5.2(N2) P15.11(LED2_1) P15.13(LED1_1) U29.36(REG_IN)
PHY2_VDDO: C159.1(N1) C166.1(N1) C171.1(N1) C174.1(N1) C176.1(N1) C178.1(N1) E4.2(N2) U29.11(VDDO_1) U29.49(VDDO_2) U29.52(VDDO_3)
PHY_VDDO_SEL: P14.1(N1) R198.2(N2) U28.10(VDDO_SEL) U29.10(VDDO_SEL)
POWER_ON_RESET_N: R65.1(N1) U45.3(VIA)
POWER_ON_RESET_N_ISO: U26.33(RESET_N) U45.18(VOA)
PWM_AH: R47.1(N1) U5.3(VIA)
PWM_AH_ISO: P2.A1(N1) U5.18(VOA)
PWM_AL: R35.1(N1) U5.4(VIB)
PWM_AL_ISO: P2.B1(N1) U5.17(VOB)
PWM_BH: R48.1(N1) U5.5(VIC)
PWM_BH_ISO: P2.A2(N2) U5.16(VOC)
PWM_BL: R36.1(N1) U5.6(VID)
PWM_BL_ISO: P2.B2(N2) U5.15(VOD)
PWM_CH: R49.1(N1) U5.8(VIE)
PWM_CH_ISO: P2.A3(N3) U5.13(VOE)
PWM_CL: R37.1(N1) U5.9(VIF)
PWM_CL_ISO: P2.B3(N3) U5.12(VOF)
PWM_EN: R50.1(N1) U44.3(VIA)
PWM_EN_ISO: P2.D3(N3) U44.18(VOA)
RDC_VEXC: A4.8(V+) C81.2(N2) P18.2(N2) Q1.3(C) Q3.3(C) R162.1(N1) R163.1(N1) R166.1(N1) R170.1(N1)
RDC_VEXT: P18.1(N1) P19.1(N1)
RES0: P4.1(N1) R152.2(N2) U26.48(RES0)
RES1: P6.1(N1) R154.2(N2) U26.1(RES1)
SAMPLE_N: R61.1(N1) U45.4(VIB)
SAMPLE_N_ISO: U26.10(SAMPLE_N) U45.17(VOB)
SENSOR_A: R31.1(N1) U20.8(D)
SENSOR_B: R44.1(N1) U25.8(D)
SENSOR_C: R32.1(N1) U21.8(D)
SENSOR_MUX_ADR_0: P9.2(N2) U20.1(A0) U21.1(A0) U25.1(A0)
SENSOR_MUX_ADR_1: P20.2(N2) U20.10(A1) U21.10(A1) U25.10(A1)
SIN: P16.1(N1) U26.41(SIN)
SIN_LO: P16.2(N2) U26.42(SINLO)
SPI1_MISO: R62.1(N1) U45.8(VOE)
SPI1_MISO_ISO: U26.11(DB15/SDO) U45.13(VIE)
SPI1_MOSI: R66.1(N1) U45.5(VIC)
SPI1_MOSI_ISO: U26.12(DB14/SDI) U45.16(VOC)
SPI1_SCK: R67.1(N1) U45.6(VID)
SPI1_SCK_ISO: U26.13(DB13/SCLK) U45.15(VOD)
SPI1_SEL1_RDC: R63.1(N1) U45.9(VIF)
SPI1_SEL1_RDC_ISO: R150.2(N2) U26.4(WR_N/FSNYC_N) U45.12(VOF)
UNNAMED_2_ADG3308V2_I67_A1: R1.2(N2) U1.2(A1)
UNNAMED_2_ADG3308V2_I67_A2: R14.2(N2) U1.3(A2)
UNNAMED_2_ADG3308V2_I67_A3: R2.2(N2) U1.4(A3)
UNNAMED_2_ADG3308V2_I67_A4: R15.2(N2) U1.5(A4)
UNNAMED_2_ADG3308V2_I67_A5: R3.2(N2) U1.6(A5)
UNNAMED_2_ADG3308V2_I67_A6: R16.2(N2) U1.7(A6)
UNNAMED_2_ADG3308V2_I67_A7: R4.2(N2) U1.8(A7)
UNNAMED_2_ADG3308V2_I67_A8: R17.2(N2) U1.9(A8)
UNNAMED_2_ADG3308V2_I67_Y1: R40.2(N2) U1.19(Y1)
UNNAMED_2_ADG3308V2_I67_Y2: R27.2(N2) U1.18(Y2)
UNNAMED_2_ADG3308V2_I67_Y3: R41.2(N2) U1.17(Y3)
UNNAMED_2_ADG3308V2_I67_Y4: R28.2(N2) U1.16(Y4)
UNNAMED_2_ADG3308V2_I67_Y5: R42.2(N2) U1.15(Y5)
UNNAMED_2_ADG3308V2_I67_Y6: R29.2(N2) U1.14(Y6)
UNNAMED_2_ADG3308V2_I67_Y7: R43.2(N2) U1.13(Y7)
UNNAMED_2_ADG3308V2_I67_Y8: R30.2(N2) U1.12(Y8)
UNNAMED_2_ADG3308V2_I75_A2: R18.2(N2) U2.3(A2)
UNNAMED_2_ADG3308V2_I75_A3: R5.2(N2) U2.4(A3)
UNNAMED_2_ADG3308V2_I75_A4: R19.2(N2) U2.5(A4)
UNNAMED_2_ADG3308V2_I75_A5: R6.2(N2) U2.6(A5)
UNNAMED_2_ADG3308V2_I75_A6: R20.2(N2) U2.7(A6)
UNNAMED_2_ADG3308V2_I75_A7: R7.2(N2) U2.8(A7)
UNNAMED_2_ADG3308V2_I75_A8: R21.2(N2) U2.9(A8)
UNNAMED_2_ADG3308V2_I75_Y2: R31.2(N2) U2.18(Y2)
UNNAMED_2_ADG3308V2_I75_Y3: R44.2(N2) U2.17(Y3)
UNNAMED_2_ADG3308V2_I75_Y4: R32.2(N2) U2.16(Y4)
UNNAMED_2_ADG3308V2_I75_Y5: R45.2(N2) U2.15(Y5)
UNNAMED_2_ADG3308V2_I75_Y6: R33.2(N2) U2.14(Y6)
UNNAMED_2_ADG3308V2_I75_Y7: R46.2(N2) U2.13(Y7)
UNNAMED_2_ADG3308V2_I75_Y8: R34.2(N2) U2.12(Y8)
UNNAMED_2_ADG3308V2_I84_A1: R8.2(N2) U3.2(A1)
UNNAMED_2_ADG3308V2_I84_A2: R22.2(N2) U3.3(A2)
UNNAMED_2_ADG3308V2_I84_A3: R9.2(N2) U3.4(A3)
UNNAMED_2_ADG3308V2_I84_A4: R23.2(N2) U3.5(A4)
UNNAMED_2_ADG3308V2_I84_A5: R10.2(N2) U3.6(A5)
UNNAMED_2_ADG3308V2_I84_A6: R24.2(N2) U3.7(A6)
UNNAMED_2_ADG3308V2_I84_A7: R11.2(N2) U3.8(A7)
UNNAMED_2_ADG3308V2_I84_A8: R25.2(N2) U3.9(A8)
UNNAMED_2_ADG3308V2_I84_Y1: R47.2(N2) U3.19(Y1)
UNNAMED_2_ADG3308V2_I84_Y2: R35.2(N2) U3.18(Y2)
UNNAMED_2_ADG3308V2_I84_Y3: R48.2(N2) U3.17(Y3)
UNNAMED_2_ADG3308V2_I84_Y4: R36.2(N2) U3.16(Y4)
UNNAMED_2_ADG3308V2_I84_Y5: R49.2(N2) U3.15(Y5)
UNNAMED_2_ADG3308V2_I84_Y6: R37.2(N2) U3.14(Y6)
UNNAMED_2_ADG3308V2_I84_Y7: R50.2(N2) U3.13(Y7)
UNNAMED_2_ADG3308V2_I84_Y8: R38.2(N2) U3.12(Y8)
UNNAMED_2_ADG3308V2_I193_A1: R53.2(N2) U4.2(A1)
UNNAMED_2_ADG3308V2_I193_A2: R57.2(N2) U4.3(A2)
UNNAMED_2_ADG3308V2_I193_A3: R54.2(N2) U4.4(A3)
UNNAMED_2_ADG3308V2_I193_A4: R58.2(N2) U4.5(A4)
UNNAMED_2_ADG3308V2_I193_A5: R55.2(N2) U4.6(A5)
UNNAMED_2_ADG3308V2_I193_A6: R59.2(N2) U4.7(A6)
UNNAMED_2_ADG3308V2_I193_A7: R56.2(N2) U4.8(A7)
UNNAMED_2_ADG3308V2_I193_A8: R60.2(N2) U4.9(A8)
UNNAMED_2_ADG3308V2_I193_Y1: R65.2(N2) U4.19(Y1)
UNNAMED_2_ADG3308V2_I193_Y2: R61.2(N2) U4.18(Y2)
UNNAMED_2_ADG3308V2_I193_Y3: R66.2(N2) U4.17(Y3)
UNNAMED_2_ADG3308V2_I193_Y4: R62.2(N2) U4.16(Y4)
UNNAMED_2_ADG3308V2_I193_Y5: R67.2(N2) U4.15(Y5)
UNNAMED_2_ADG3308V2_I193_Y6: R63.2(N2) U4.14(Y6)
UNNAMED_2_ADG3308V2_I297_A1: R223.2(N2) U7.2(A1)
UNNAMED_2_ADG3308V2_I297_A2: R225.2(N2) U7.3(A2)
UNNAMED_2_ADG3308V2_I297_A3: R224.2(N2) U7.4(A3)
UNNAMED_2_ADG3308V2_I297_A4: R237.2(N2) U7.5(A4)
UNNAMED_2_ADG3308V2_I297_A5: R51.2(N2) U7.6(A5)
UNNAMED_2_ADG3308V2_I297_A6: R68.2(N2) U7.7(A6)
UNNAMED_2_ADG3308V2_I297_A7: R39.2(N2) U7.8(A7)
UNNAMED_2_ADG3308V2_I297_A8: R238.2(N2) U7.9(A8)
UNNAMED_2_ADG3308V2_I297_Y1: R227.2(N2) U7.19(Y1)
UNNAMED_2_ADG3308V2_I297_Y2: R226.2(N2) U7.18(Y2)
UNNAMED_2_ADG3308V2_I297_Y3: R228.2(N2) U7.17(Y3)
UNNAMED_2_ADG3308V2_I297_Y4: R241.2(N2) U7.16(Y4)
UNNAMED_2_ADG3308V2_I297_Y5: R246.2(N2) U7.15(Y5)
UNNAMED_2_ADG3308V2_I297_Y6: R242.2(N2) U7.14(Y6)
UNNAMED_2_ADG3308V2_I297_Y7: R247.2(N2) U7.13(Y7)
UNNAMED_2_ADG3308V2_I297_Y8: R243.2(N2) U7.12(Y8)
UNNAMED_2_ADG3308V2_I389_A1: R52.2(N2) U49.2(A1)
UNNAMED_2_ADG3308V2_I389_A2: R239.2(N2) U49.3(A2)
UNNAMED_2_ADG3308V2_I389_A3: R64.2(N2) U49.4(A3)
UNNAMED_2_ADG3308V2_I389_A4: R240.2(N2) U49.5(A4)
UNNAMED_2_ADG3308V2_I389_Y1: R248.2(N2) U49.19(Y1)
UNNAMED_2_ADG3308V2_I389_Y2: R244.2(N2) U49.18(Y2)
UNNAMED_2_ADG3308V2_I389_Y3: R249.2(N2) U49.17(Y3)
UNNAMED_2_ADG3308V2_I389_Y4: R245.2(N2) U49.16(Y4)
UNNAMED_2_ADM108X_I197_CEXT: A1.5(CEXT) C20.1(N1)
UNNAMED_3_AD7401_I33_VIN: C24.1(N1) R77.2(N2) U8.2(VIN+)
UNNAMED_3_AD7401_I33_VIN_1: C24.2(N2) R78.2(N2) U8.3(VIN-)
UNNAMED_3_AD7401_I90_VIN: C25.1(N1) R79.2(N2) U9.2(VIN+)
UNNAMED_3_AD7401_I90_VIN_1: C25.2(N2) R80.2(N2) U9.3(VIN-)
UNNAMED_3_AD8137_I11_NEGIN: R94.2(N2) R99.1(N1) U12.1(NEG_IN)
UNNAMED_3_AD8137_I11_NEGOUT: R97.2(N2) R101.1(N1) U12.5(NEG_OUT)
UNNAMED_3_AD8137_I11_POSIN: R93.2(N2) R97.1(N1) U12.8(POS_IN)
UNNAMED_3_AD8137_I11_POSOUT: R99.2(N2) R102.1(N1) U12.4(POS_OUT)
UNNAMED_3_AD8137_I63_NEGIN: R96.2(N2) R100.1(N1) U13.1(NEG_IN)
UNNAMED_3_AD8137_I63_NEGOUT: R98.2(N2) R103.1(N1) U13.5(NEG_OUT)
UNNAMED_3_AD8137_I63_POSIN: R95.2(N2) R98.1(N1) U13.8(POS_IN)
UNNAMED_3_AD8137_I63_POSOUT: R100.2(N2) R104.1(N1) U13.4(POS_OUT)
UNNAMED_3_AD8646V2_I108_: R85.2(N2) U10.2(-IN)
UNNAMED_3_AD8646V2_I108__1: C28.1(N1) R83.2(N2) U10.3(+IN)
UNNAMED_3_AD8646V2_I108_OUT: C30.2(N2) R85.1(N1) R89.1(N1) U10.1(OUT)
UNNAMED_3_AD8646V2_I111_: R86.2(N2) U10.6(-IN)